# KiCad board SmartSpin2k_Panelized.kicad_pcb (continued)
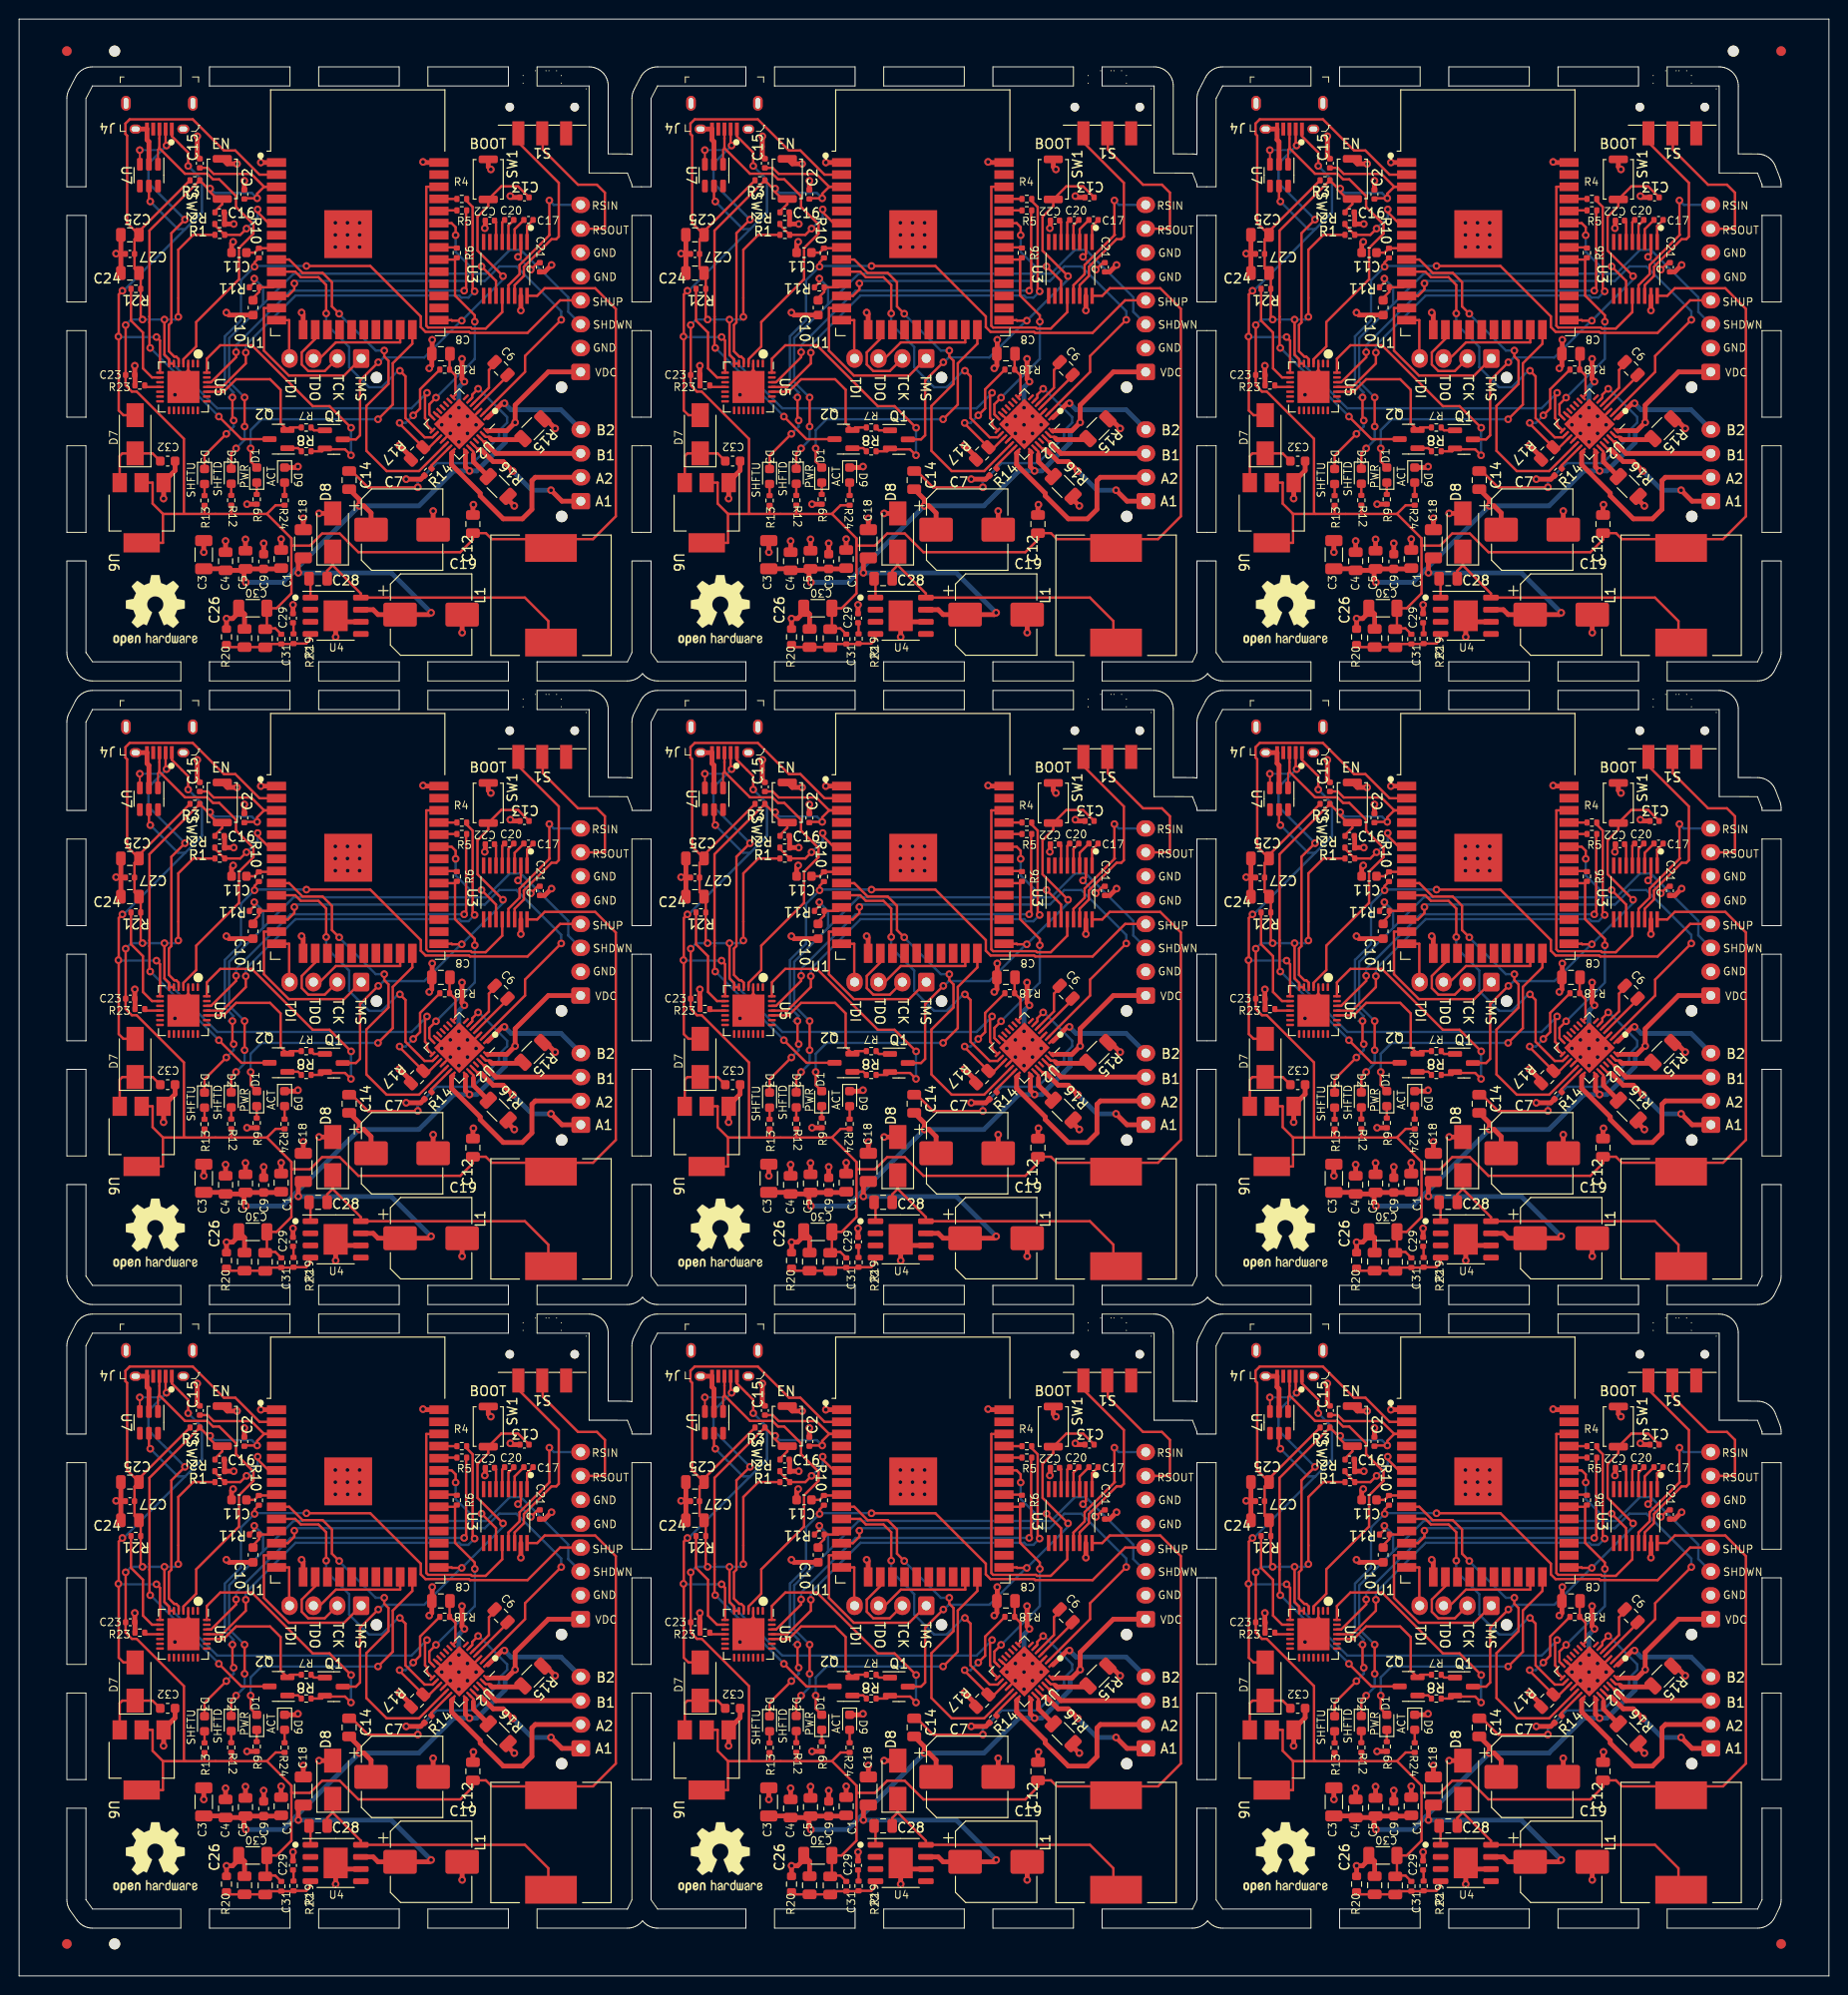
[diagram p0: board, top side]
## Nets (continued)
Board_5-Net-(C6-Pad1): C6#7.1 U2#5.5
Board_5-Net-(C6-Pad2): C6#7.2 U2#5.4
Board_5-Net-(C10-Pad1): C10#6.1 R11#9.1 U1#7.11
Board_5-Net-(C11-Pad1): C11.1 R10#4.1 U1#7.8
Board_5-Net-(C14-Pad2): C14#6.2 U2#5.6
Board_5-Net-(C17-Pad1): C17#9.1 U3#5.3
Board_5-Net-(C17-Pad2): C17#9.2 U3#5.1
Board_5-Net-(C20-Pad1): C20#9.1 U3#5.5
Board_5-Net-(C20-Pad2): C20#9.2 U3#5.4
Board_5-Net-(C21-Pad1): C21#4.1 U3#5.2
Board_5-Net-(C22-Pad1): C22.1 U3#5.6
Board_5-Net-(C26-Pad1): C26#5.1 C31#7.1 R19.1 R20.1 R22#8.1 U4#8.4
Board_5-Net-(C28-Pad1): C28#9.1 U4#8.1
Board_5-Net-(C28-Pad2): C28#9.2 D8#9.1 L1#6.1 U4#8.8
Board_5-Net-(C29-Pad1): C29#6.1 R19.2
Board_5-Net-(D1-Pad1): D1#6.1 R9#8.2
Board_5-Net-(D1-Pad2): D1#6.2 U1#7.24
Board_5-Net-(D2-Pad2): D2#3.2 R12#3.1
Board_5-Net-(D3-Pad2): D3#7.2 R13#7.2
Board_5-Net-(D9-Pad2): D9#2.2 R24#9.1
Board_5-Net-(J2-Pad1): J2.1 U1#7.13
Board_5-Net-(J2-Pad2): J2.2 U1#7.16
Board_5-Net-(J2-Pad3): J2.3 U1#7.23
Board_5-Net-(J2-Pad4): J2.4 U1#7.14
Board_5-Net-(Q1-Pad1): Q1#5.1 R7#6.1
Board_5-Net-(Q2-Pad1): Q2#4.1 R8#6.2
Board_5-Net-(R1-Pad2): R1.2 R2#5.2 U1#7.6
Board_5-Net-(R4-Pad1): R4#7.1 U1#7.35
Board_5-Net-(R5-Pad1): R5#7.1 U1#7.34
Board_5-Net-(R14-Pad2): R14#4.2 U2#5.20
Board_5-Net-(R17-Pad1): R17#3.1 R18#2.2 U2#5.17
Board_5-Net-(R21-Pad2): R21#3.2 U5#9.9
Board_5-Net-(R23-Pad2): R23.2 U5#9.11
Board_5-Net-(S1-Pad3): S1#8.3 U3#5.14
Board_5-unconnected-(J4-Pad4): J4#8.4
Board_5-unconnected-(S1-Pad1): S1#8.1
Board_5-unconnected-(U1-Pad4): U1#7.4
Board_5-unconnected-(U1-Pad5): U1#7.5
Board_5-unconnected-(U1-Pad7): U1#7.7
Board_5-unconnected-(U1-Pad17): U1#7.17
Board_5-unconnected-(U1-Pad18): U1#7.18
Board_5-unconnected-(U1-Pad19): U1#7.19
Board_5-unconnected-(U1-Pad20): U1#7.20
Board_5-unconnected-(U1-Pad21): U1#7.21
Board_5-unconnected-(U1-Pad22): U1#7.22
Board_5-unconnected-(U1-Pad26): U1#7.26
Board_5-unconnected-(U1-Pad27): U1#7.27
Board_5-unconnected-(U1-Pad28): U1#7.28
Board_5-unconnected-(U1-Pad29): U1#7.29
Board_5-unconnected-(U1-Pad32): U1#7.32
Board_5-unconnected-(U1-Pad37): U1#7.37
Board_5-unconnected-(U2-Pad7): U2#5.7
Board_5-unconnected-(U2-Pad9): U2#5.9
Board_5-unconnected-(U2-Pad10): U2#5.10
Board_5-unconnected-(U2-Pad11): U2#5.11
Board_5-unconnected-(U2-Pad12): U2#5.12
Board_5-unconnected-(U2-Pad25): U2#5.25
Board_5-unconnected-(U3-Pad7): U3#5.7
Board_5-unconnected-(U3-Pad8): U3#5.8
Board_5-unconnected-(U3-Pad9): U3#5.9
Board_5-unconnected-(U3-Pad10): U3#5.10
Board_5-unconnected-(U4-Pad2): U4#8.2
Board_5-unconnected-(U4-Pad3): U4#8.3
Board_5-unconnected-(U4-Pad5): U4#8.5
Board_5-unconnected-(U5-Pad1): U5#9.1
Board_5-unconnected-(U5-Pad2): U5#9.2
Board_5-unconnected-(U5-Pad10): U5#9.10
Board_5-unconnected-(U5-Pad12): U5#9.12
Board_5-unconnected-(U5-Pad13): U5#9.13
Board_5-unconnected-(U5-Pad14): U5#9.14
Board_5-unconnected-(U5-Pad15): U5#9.15
Board_5-unconnected-(U5-Pad16): U5#9.16
Board_5-unconnected-(U5-Pad17): U5#9.17
Board_5-unconnected-(U5-Pad18): U5#9.18
Board_5-unconnected-(U5-Pad19): U5#9.19
Board_5-unconnected-(U5-Pad20): U5#9.20
Board_5-unconnected-(U5-Pad21): U5#9.21
Board_5-unconnected-(U5-Pad22): U5#9.22
Board_5-unconnected-(U5-Pad23): U5#9.23
Board_5-unconnected-(U5-Pad27): U5#9.27
Board_5-unconnected-(U7-Pad4): U7#5.4
Board_5-unconnected-(U7-Pad6): U7#5.6
Board_6-/A1: J1#4.1 U2#7.24
Board_6-/A2: J1#4.2 U2#7.21
Board_6-/B1: J1#4.3 U2#7.26
Board_6-/B2: J1#4.4 U2#7.1
Board_6-/BRA: R16#6.2 U2#7.23
Board_6-/BRB: R15#8.2 U2#7.27
Board_6-/D+: J4#6.3 U5.4 U7#7.1
Board_6-/D-: J4#6.2 U5.5 U7#7.3
Board_6-/DriverDIR: U1#5.9 U2#7.19
Board_6-/DriverEN: U1#5.12 U2#7.2
Board_6-/DriverSTEP: U1#5.10 U2#7.16
Board_6-/DTR: Q1#9.2 R8#9.1 U5.28
Board_6-/EN: C2#2.1 C15#6.1 C16.1 Q2#8.3 R3#6.2 SW2#9.2 U1#5.3
Board_6-/IO0_BOOT: C13#4.1 Q1#9.3 SW1#8.1 U1#5.25
Board_6-/R1OUT: U1#5.36 U3#8.12
Board_6-/REG_5V: C32#6.2 D7#2.1 U6#9.3
Board_6-/RS232IN1: J3#4.8 U3#8.13
Board_6-/RS232OUT1: J3#4.7 S1#2.2
Board_6-/RTS: Q2#8.2 R7#8.2 U5.24
Board_6-/RXD0: R5#2.2 U5.26
Board_6-/ShiftDown: D2#8.1 J3#4.3 R11#7.2
Board_6-/ShiftUp: D3#6.1 J3#4.4 R10#3.2
Board_6-/T1IN: U1#5.33 U3#8.11
Board_6-/TMCUART1: R6#4.1 U1#5.30 U2#7.14
Board_6-/TMCUART2: R6#4.2 U1#5.31
Board_6-/TXD0: R4#5.2 U5.25
Board_6-/VDC: C1#7.1 C3#5.1 C4#2.1 C5#4.1 C7#2.1 C9.1 C14#7.1 C18#2.1 C19.1 J3#4.1 U2#7.22 U2#7.28 U4#5.7
Board_6-GND: C1#7.2 C2#2.2 C3#5.2 C4#2.2 C5#4.2 C7#2.2 C8#5.2 C9.2 C10#8.2 C11#5.2 C12#7.2 C13#4.2 C15#6.2 C16.2 C18#2.2 C19.2 C21#5.2 C22#4.2 C23#2.2 C24#5.1 C25#5.2 C26#2.2 C27#3.2 C29#3.2 C30#7.2 C32#6.1 D8#4.2 D9#7.1 J3#4.2 J3#4.5 J3#4.6 J4#6.5 J4#6.SH R2#8.1 R9#6.1 R14#8.1 R15#8.1 R16#6.1 R17#8.2 R20#7.2 R23#8.1 SW1#8.2 SW2#9.1 U1#5.1 U1#5.15 U1#5.38 U1#5.39 U2#7.3 U2#7.13 U2#7.18 U2#7.29 U3#8.15 U4#5.6 U4#5.9 U5.3 U5.29 U6#9.1 U7#7.2
Board_6-Net-(C6-Pad1): C6#5.1 U2#7.5
Board_6-Net-(C6-Pad2): C6#5.2 U2#7.4
Board_6-Net-(C10-Pad1): C10#8.1 R11#7.1 U1#5.11
Board_6-Net-(C11-Pad1): C11#5.1 R10#3.1 U1#5.8
Board_6-Net-(C14-Pad2): C14#7.2 U2#7.6
Board_6-Net-(C17-Pad1): C17#2.1 U3#8.3
Board_6-Net-(C17-Pad2): C17#2.2 U3#8.1
Board_6-Net-(C20-Pad1): C20#3.1 U3#8.5
Board_6-Net-(C20-Pad2): C20#3.2 U3#8.4
Board_6-Net-(C21-Pad1): C21#5.1 U3#8.2
Board_6-Net-(C22-Pad1): C22#4.1 U3#8.6
Board_6-Net-(C26-Pad1): C26#2.1 C31#4.1 R19#6.1 R20#7.1 R22.1 U4#5.4
Board_6-Net-(C28-Pad1): C28#8.1 U4#5.1
Board_6-Net-(C28-Pad2): C28#8.2 D8#4.1 L1#4.1 U4#5.8
Board_6-Net-(C29-Pad1): C29#3.1 R19#6.2
Board_6-Net-(D1-Pad1): D1#5.1 R9#6.2
Board_6-Net-(D1-Pad2): D1#5.2 U1#5.24
Board_6-Net-(D2-Pad2): D2#8.2 R12#4.1
Board_6-Net-(D3-Pad2): D3#6.2 R13#4.2
Board_6-Net-(D9-Pad2): D9#7.2 R24#8.1
Board_6-Net-(J2-Pad1): J2#5.1 U1#5.13
Board_6-Net-(J2-Pad2): J2#5.2 U1#5.16
Board_6-Net-(J2-Pad3): J2#5.3 U1#5.23
Board_6-Net-(J2-Pad4): J2#5.4 U1#5.14
Board_6-Net-(Q1-Pad1): Q1#9.1 R7#8.1
Board_6-Net-(Q2-Pad1): Q2#8.1 R8#9.2
Board_6-Net-(R1-Pad2): R1#9.2 R2#8.2 U1#5.6
Board_6-Net-(R4-Pad1): R4#5.1 U1#5.35
Board_6-Net-(R5-Pad1): R5#2.1 U1#5.34
Board_6-Net-(R14-Pad2): R14#8.2 U2#7.20
Board_6-Net-(R17-Pad1): R17#8.1 R18#7.2 U2#7.17
Board_6-Net-(R21-Pad2): R21#7.2 U5.9
Board_6-Net-(R23-Pad2): R23#8.2 U5.11
Board_6-Net-(S1-Pad3): S1#2.3 U3#8.14
Board_6-unconnected-(J4-Pad4): J4#6.4
Board_6-unconnected-(S1-Pad1): S1#2.1
Board_6-unconnected-(U1-Pad4): U1#5.4
Board_6-unconnected-(U1-Pad5): U1#5.5
Board_6-unconnected-(U1-Pad7): U1#5.7
Board_6-unconnected-(U1-Pad17): U1#5.17
Board_6-unconnected-(U1-Pad18): U1#5.18
Board_6-unconnected-(U1-Pad19): U1#5.19
Board_6-unconnected-(U1-Pad20): U1#5.20
Board_6-unconnected-(U1-Pad21): U1#5.21
Board_6-unconnected-(U1-Pad22): U1#5.22
Board_6-unconnected-(U1-Pad26): U1#5.26
Board_6-unconnected-(U1-Pad27): U1#5.27
Board_6-unconnected-(U1-Pad28): U1#5.28
Board_6-unconnected-(U1-Pad29): U1#5.29
Board_6-unconnected-(U1-Pad32): U1#5.32
Board_6-unconnected-(U1-Pad37): U1#5.37
Board_6-unconnected-(U2-Pad7): U2#7.7
Board_6-unconnected-(U2-Pad9): U2#7.9
Board_6-unconnected-(U2-Pad10): U2#7.10
Board_6-unconnected-(U2-Pad11): U2#7.11
Board_6-unconnected-(U2-Pad12): U2#7.12
Board_6-unconnected-(U2-Pad25): U2#7.25
Board_6-unconnected-(U3-Pad7): U3#8.7
Board_6-unconnected-(U3-Pad8): U3#8.8
Board_6-unconnected-(U3-Pad9): U3#8.9
Board_6-unconnected-(U3-Pad10): U3#8.10
Board_6-unconnected-(U4-Pad2): U4#5.2
Board_6-unconnected-(U4-Pad3): U4#5.3
Board_6-unconnected-(U4-Pad5): U4#5.5
Board_6-unconnected-(U5-Pad1): U5.1
Board_6-unconnected-(U5-Pad2): U5.2
Board_6-unconnected-(U5-Pad10): U5.10
Board_6-unconnected-(U5-Pad12): U5.12
Board_6-unconnected-(U5-Pad13): U5.13
Board_6-unconnected-(U5-Pad14): U5.14
Board_6-unconnected-(U5-Pad15): U5.15
Board_6-unconnected-(U5-Pad16): U5.16
Board_6-unconnected-(U5-Pad17): U5.17
Board_6-unconnected-(U5-Pad18): U5.18
Board_6-unconnected-(U5-Pad19): U5.19
Board_6-unconnected-(U5-Pad20): U5.20
Board_6-unconnected-(U5-Pad21): U5.21
Board_6-unconnected-(U5-Pad22): U5.22
Board_6-unconnected-(U5-Pad23): U5.23
Board_6-unconnected-(U5-Pad27): U5.27
Board_6-unconnected-(U7-Pad4): U7#7.4
Board_6-unconnected-(U7-Pad6): U7#7.6
Board_7-/A1: J1#2.1 U2#9.24
Board_7-/A2: J1#2.2 U2#9.21
Board_7-/B1: J1#2.3 U2#9.26
Board_7-/B2: J1#2.4 U2#9.1
Board_7-/BRA: R16#4.2 U2#9.23
Board_7-/BRB: R15#5.2 U2#9.27
Board_7-/D+: J4.3 U5#4.4 U7#8.1
Board_7-/D-: J4.2 U5#4.5 U7#8.3
Board_7-/DriverDIR: U1#9.9 U2#9.19
Board_7-/DriverEN: U1#9.12 U2#9.2
Board_7-/DriverSTEP: U1#9.10 U2#9.16
Board_7-/DTR: Q1#8.2 R8#7.1 U5#4.28
Board_7-/EN: C2#4.1 C15.1 C16#6.1 Q2#7.3 R3#7.2 SW2.2 U1#9.3
Board_7-/IO0_BOOT: C13#8.1 Q1#8.3 SW1.1 U1#9.25
Board_7-/R1OUT: U1#9.36 U3.12
Board_7-/REG_5V: C32#5.2 D7#7.1 U6#4.3
Board_7-/RS232IN1: J3#3.8 U3.13
Board_7-/RS232OUT1: J3#3.7 S1#7.2
Board_7-/RTS: Q2#7.2 R7#5.2 U5#4.24
Board_7-/RXD0: R5#3.2 U5#4.26
Board_7-/ShiftDown: D2#4.1 J3#3.3 R11#8.2
Board_7-/ShiftUp: D3#2.1 J3#3.4 R10#9.2
Board_7-/T1IN: U1#9.33 U3.11
Board_7-/TMCUART1: R6#8.1 U1#9.30 U2#9.14
Board_7-/TMCUART2: R6#8.2 U1#9.31
Board_7-/TXD0: R4#8.2 U5#4.25
Board_7-/VDC: C1#8.1 C3.1 C4#3.1 C5#9.1 C7#4.1 C9#2.1 C14#5.1 C18#9.1 C19#7.1 J3#3.1 U2#9.22 U2#9.28 U4#3.7
Board_7-GND: C1#8.2 C2#4.2 C3.2 C4#3.2 C5#9.2 C7#4.2 C8#7.2 C9#2.2 C10#7.2 C11#6.2 C12.2 C13#8.2 C15.2 C16#6.2 C18#9.2 C19#7.2 C21#8.2 C22#8.2 C23.2 C24.1 C25#9.2 C26#8.2 C27#9.2 C29#5.2 C30#8.2 C32#5.1 D8#6.2 D9#9.1 J3#3.2 J3#3.5 J3#3.6 J4.5 J4.SH R2#2.1 R9#7.1 R14#2.1 R15#5.1 R16#4.1 R17#9.2 R20#9.2 R23#2.1 SW1.2 SW2.1 U1#9.1 U1#9.15 U1#9.38 U1#9.39 U2#9.3 U2#9.13 U2#9.18 U2#9.29 U3.15 U4#3.6 U4#3.9 U5#4.3 U5#4.29 U6#4.1 U7#8.2
Board_7-Net-(C6-Pad1): C6#3.1 U2#9.5
Board_7-Net-(C6-Pad2): C6#3.2 U2#9.4
Board_7-Net-(C10-Pad1): C10#7.1 R11#8.1 U1#9.11
Board_7-Net-(C11-Pad1): C11#6.1 R10#9.1 U1#9.8
Board_7-Net-(C14-Pad2): C14#5.2 U2#9.6
Board_7-Net-(C17-Pad1): C17#5.1 U3.3
Board_7-Net-(C17-Pad2): C17#5.2 U3.1
Board_7-Net-(C20-Pad1): C20#5.1 U3.5
Board_7-Net-(C20-Pad2): C20#5.2 U3.4
Board_7-Net-(C21-Pad1): C21#8.1 U3.2
Board_7-Net-(C22-Pad1): C22#8.1 U3.6
Board_7-Net-(C26-Pad1): C26#8.1 C31#9.1 R19#7.1 R20#9.1 R22#7.1 U4#3.4
Board_7-Net-(C28-Pad1): C28#4.1 U4#3.1
Board_7-Net-(C28-Pad2): C28#4.2 D8#6.1 L1#8.1 U4#3.8
Board_7-Net-(C29-Pad1): C29#5.1 R19#7.2
Board_7-Net-(D1-Pad1): D1#9.1 R9#7.2
Board_7-Net-(D1-Pad2): D1#9.2 U1#9.24
Board_7-Net-(D2-Pad2): D2#4.2 R12#7.1
Board_7-Net-(D3-Pad2): D3#2.2 R13#3.2
Board_7-Net-(D9-Pad2): D9#9.2 R24#2.1
Board_7-Net-(J2-Pad1): J2#3.1 U1#9.13
Board_7-Net-(J2-Pad2): J2#3.2 U1#9.16
Board_7-Net-(J2-Pad3): J2#3.3 U1#9.23
Board_7-Net-(J2-Pad4): J2#3.4 U1#9.14
Board_7-Net-(Q1-Pad1): Q1#8.1 R7#5.1
Board_7-Net-(Q2-Pad1): Q2#7.1 R8#7.2
Board_7-Net-(R1-Pad2): R1#5.2 R2#2.2 U1#9.6
Board_7-Net-(R4-Pad1): R4#8.1 U1#9.35
Board_7-Net-(R5-Pad1): R5#3.1 U1#9.34
Board_7-Net-(R14-Pad2): R14#2.2 U2#9.20
Board_7-Net-(R17-Pad1): R17#9.1 R18#8.2 U2#9.17
Board_7-Net-(R21-Pad2): R21#9.2 U5#4.9
Board_7-Net-(R23-Pad2): R23#2.2 U5#4.11
Board_7-Net-(S1-Pad3): S1#7.3 U3.14
Board_7-unconnected-(J4-Pad4): J4.4
Board_7-unconnected-(S1-Pad1): S1#7.1
Board_7-unconnected-(U1-Pad4): U1#9.4
Board_7-unconnected-(U1-Pad5): U1#9.5
Board_7-unconnected-(U1-Pad7): U1#9.7
Board_7-unconnected-(U1-Pad17): U1#9.17
Board_7-unconnected-(U1-Pad18): U1#9.18
Board_7-unconnected-(U1-Pad19): U1#9.19
Board_7-unconnected-(U1-Pad20): U1#9.20
Board_7-unconnected-(U1-Pad21): U1#9.21
Board_7-unconnected-(U1-Pad22): U1#9.22
Board_7-unconnected-(U1-Pad26): U1#9.26
Board_7-unconnected-(U1-Pad27): U1#9.27
Board_7-unconnected-(U1-Pad28): U1#9.28
Board_7-unconnected-(U1-Pad29): U1#9.29
Board_7-unconnected-(U1-Pad32): U1#9.32
Board_7-unconnected-(U1-Pad37): U1#9.37
Board_7-unconnected-(U2-Pad7): U2#9.7
Board_7-unconnected-(U2-Pad9): U2#9.9
Board_7-unconnected-(U2-Pad10): U2#9.10
Board_7-unconnected-(U2-Pad11): U2#9.11
Board_7-unconnected-(U2-Pad12): U2#9.12
Board_7-unconnected-(U2-Pad25): U2#9.25
Board_7-unconnected-(U3-Pad7): U3.7
Board_7-unconnected-(U3-Pad8): U3.8
Board_7-unconnected-(U3-Pad9): U3.9
Board_7-unconnected-(U3-Pad10): U3.10
Board_7-unconnected-(U4-Pad2): U4#3.2
Board_7-unconnected-(U4-Pad3): U4#3.3
Board_7-unconnected-(U4-Pad5): U4#3.5
Board_7-unconnected-(U5-Pad1): U5#4.1
Board_7-unconnected-(U5-Pad2): U5#4.2
Board_7-unconnected-(U5-Pad10): U5#4.10
Board_7-unconnected-(U5-Pad12): U5#4.12
Board_7-unconnected-(U5-Pad13): U5#4.13
Board_7-unconnected-(U5-Pad14): U5#4.14
Board_7-unconnected-(U5-Pad15): U5#4.15
Board_7-unconnected-(U5-Pad16): U5#4.16
Board_7-unconnected-(U5-Pad17): U5#4.17
Board_7-unconnected-(U5-Pad18): U5#4.18
Board_7-unconnected-(U5-Pad19): U5#4.19
Board_7-unconnected-(U5-Pad20): U5#4.20
Board_7-unconnected-(U5-Pad21): U5#4.21
Board_7-unconnected-(U5-Pad22): U5#4.22
Board_7-unconnected-(U5-Pad23): U5#4.23
Board_7-unconnected-(U5-Pad27): U5#4.27
Board_7-unconnected-(U7-Pad4): U7#8.4
Board_7-unconnected-(U7-Pad6): U7#8.6
Board_8-/A1: J1#8.1 U2#4.24
Board_8-/A2: J1#8.2 U2#4.21
Board_8-/B1: J1#8.3 U2#4.26
Board_8-/B2: J1#8.4 U2#4.1
Board_8-/BRA: R16#9.2 U2#4.23
Board_8-/BRB: R15#4.2 U2#4.27
Board_8-/D+: J4#7.3 U5#5.4 U7.1
Board_8-/D-: J4#7.2 U5#5.5 U7.3
Board_8-/DriverDIR: U1#6.9 U2#4.19
Board_8-/DriverEN: U1#6.12 U2#4.2
Board_8-/DriverSTEP: U1#6.10 U2#4.16
Board_8-/DTR: Q1#6.2 R8#2.1 U5#5.28
Board_8-/EN: C2#5.1 C15#2.1 C16#7.1 Q2#3.3 R3#8.2 SW2#6.2 U1#6.3
Board_8-/IO0_BOOT: C13#7.1 Q1#6.3 SW1#6.1 U1#6.25
Board_8-/R1OUT: U1#6.36 U3#2.12
Board_8-/REG_5V: C32.2 D7#3.1 U6#7.3
Board_8-/RS232IN1: J3#5.8 U3#2.13
Board_8-/RS232OUT1: J3#5.7 S1#5.2
Board_8-/RTS: Q2#3.2 R7#4.2 U5#5.24
Board_8-/RXD0: R5#5.2 U5#5.26
Board_8-/ShiftDown: D2#5.1 J3#5.3 R11#5.2
Board_8-/ShiftUp: D3#8.1 J3#5.4 R10.2
Board_8-/T1IN: U1#6.33 U3#2.11
Board_8-/TMCUART1: R6#3.1 U1#6.30 U2#4.14
Board_8-/TMCUART2: R6#3.2 U1#6.31
Board_8-/TXD0: R4#4.2 U5#5.25
Board_8-/VDC: C1#4.1 C3#7.1 C4.1 C5#3.1 C7.1 C9#5.1 C14#2.1 C18#8.1 C19#6.1 J3#5.1 U2#4.22 U2#4.28 U4#7.7
Board_8-GND: C1#4.2 C2#5.2 C3#7.2 C4.2 C5#3.2 C7.2 C8#4.2 C9#5.2 C10#2.2 C11#4.2 C12#3.2 C13#7.2 C15#2.2 C16#7.2 C18#8.2 C19#6.2 C21#3.2 C22#2.2 C23#5.2 C24#2.1 C25#6.2 C26#3.2 C27#5.2 C29#8.2 C30#6.2 C32.1 D8#5.2 D9#8.1 J3#5.2 J3#5.5 J3#5.6 J4#7.5 J4#7.SH R2#7.1 R9#5.1 R14#6.1 R15#4.1 R16#9.1 R17#6.2 R20#4.2 R23#9.1 SW1#6.2 SW2#6.1 U1#6.1 U1#6.15 U1#6.38 U1#6.39 U2#4.3 U2#4.13 U2#4.18 U2#4.29 U3#2.15 U4#7.6 U4#7.9 U5#5.3 U5#5.29 U6#7.1 U7.2
Board_8-Net-(C6-Pad1): C6#8.1 U2#4.5
Board_8-Net-(C6-Pad2): C6#8.2 U2#4.4
Board_8-Net-(C10-Pad1): C10#2.1 R11#5.1 U1#6.11
Board_8-Net-(C11-Pad1): C11#4.1 R10.1 U1#6.8
Board_8-Net-(C14-Pad2): C14#2.2 U2#4.6
Board_8-Net-(C17-Pad1): C17#7.1 U3#2.3
Board_8-Net-(C17-Pad2): C17#7.2 U3#2.1
Board_8-Net-(C20-Pad1): C20#4.1 U3#2.5
Board_8-Net-(C20-Pad2): C20#4.2 U3#2.4
Board_8-Net-(C21-Pad1): C21#3.1 U3#2.2
Board_8-Net-(C22-Pad1): C22#2.1 U3#2.6
Board_8-Net-(C26-Pad1): C26#3.1 C31#6.1 R19#9.1 R20#4.1 R22#4.1 U4#7.4
Board_8-Net-(C28-Pad1): C28.1 U4#7.1
Board_8-Net-(C28-Pad2): C28.2 D8#5.1 L1#7.1 U4#7.8
Board_8-Net-(C29-Pad1): C29#8.1 R19#9.2
Board_8-Net-(D1-Pad1): D1.1 R9#5.2
Board_8-Net-(D1-Pad2): D1.2 U1#6.24
Board_8-Net-(D2-Pad2): D2#5.2 R12#9.1
Board_8-Net-(D3-Pad2): D3#8.2 R13.2
Board_8-Net-(D9-Pad2): D9#8.2 R24#3.1
Board_8-Net-(J2-Pad1): J2#6.1 U1#6.13
Board_8-Net-(J2-Pad2): J2#6.2 U1#6.16
Board_8-Net-(J2-Pad3): J2#6.3 U1#6.23
Board_8-Net-(J2-Pad4): J2#6.4 U1#6.14
Board_8-Net-(Q1-Pad1): Q1#6.1 R7#4.1
Board_8-Net-(Q2-Pad1): Q2#3.1 R8#2.2
Board_8-Net-(R1-Pad2): R1#7.2 R2#7.2 U1#6.6
Board_8-Net-(R4-Pad1): R4#4.1 U1#6.35
Board_8-Net-(R5-Pad1): R5#5.1 U1#6.34
Board_8-Net-(R14-Pad2): R14#6.2 U2#4.20
Board_8-Net-(R17-Pad1): R17#6.1 R18#6.2 U2#4.17
Board_8-Net-(R21-Pad2): R21#4.2 U5#5.9
Board_8-Net-(R23-Pad2): R23#9.2 U5#5.11
Board_8-Net-(S1-Pad3): S1#5.3 U3#2.14
Board_8-unconnected-(J4-Pad4): J4#7.4
Board_8-unconnected-(S1-Pad1): S1#5.1
Board_8-unconnected-(U1-Pad4): U1#6.4
Board_8-unconnected-(U1-Pad5): U1#6.5
Board_8-unconnected-(U1-Pad7): U1#6.7
Board_8-unconnected-(U1-Pad17): U1#6.17
Board_8-unconnected-(U1-Pad18): U1#6.18
Board_8-unconnected-(U1-Pad19): U1#6.19
Board_8-unconnected-(U1-Pad20): U1#6.20
Board_8-unconnected-(U1-Pad21): U1#6.21
Board_8-unconnected-(U1-Pad22): U1#6.22
Board_8-unconnected-(U1-Pad26): U1#6.26
Board_8-unconnected-(U1-Pad27): U1#6.27
Board_8-unconnected-(U1-Pad28): U1#6.28
Board_8-unconnected-(U1-Pad29): U1#6.29
Board_8-unconnected-(U1-Pad32): U1#6.32
Board_8-unconnected-(U1-Pad37): U1#6.37
Board_8-unconnected-(U2-Pad7): U2#4.7
Board_8-unconnected-(U2-Pad9): U2#4.9
Board_8-unconnected-(U2-Pad10): U2#4.10
Board_8-unconnected-(U2-Pad11): U2#4.11
Board_8-unconnected-(U2-Pad12): U2#4.12
Board_8-unconnected-(U2-Pad25): U2#4.25
Board_8-unconnected-(U3-Pad7): U3#2.7
Board_8-unconnected-(U3-Pad8): U3#2.8
Board_8-unconnected-(U3-Pad9): U3#2.9
Board_8-unconnected-(U3-Pad10): U3#2.10
Board_8-unconnected-(U4-Pad2): U4#7.2
Board_8-unconnected-(U4-Pad3): U4#7.3
Board_8-unconnected-(U4-Pad5): U4#7.5
Board_8-unconnected-(U5-Pad1): U5#5.1
Board_8-unconnected-(U5-Pad2): U5#5.2
Board_8-unconnected-(U5-Pad10): U5#5.10
Board_8-unconnected-(U5-Pad12): U5#5.12
Board_8-unconnected-(U5-Pad13): U5#5.13
Board_8-unconnected-(U5-Pad14): U5#5.14
Board_8-unconnected-(U5-Pad15): U5#5.15
Board_8-unconnected-(U5-Pad16): U5#5.16
Board_8-unconnected-(U5-Pad17): U5#5.17
Board_8-unconnected-(U5-Pad18): U5#5.18
Board_8-unconnected-(U5-Pad19): U5#5.19
Board_8-unconnected-(U5-Pad20): U5#5.20
Board_8-unconnected-(U5-Pad21): U5#5.21
Board_8-unconnected-(U5-Pad22): U5#5.22
Board_8-unconnected-(U5-Pad23): U5#5.23
Board_8-unconnected-(U5-Pad27): U5#5.27
Board_8-unconnected-(U7-Pad4): U7.4
Board_8-unconnected-(U7-Pad6): U7.6

## Via types
v1: diameter 0.8, hole 0.4, Top to Bottom, 1116 vias

## Routing (per net, layer and track width the routed paths; a pad name or vN(x,y) marks a point on that pad's centre or on a via; arc(x,y) is an arc through that point)
Board_0-/3V3: length 244.3
  Top w0.25: 25.94,153.09 22.2,153.09 ; 25.94,153.09 28.5,150.53 ; 25.94,153.09 26.85,154 R24#4.2 ; 19.41,153.09 19.41,153.09 R13#2.1 ; 19.41,153.09 22.2,153.09 ; 19.41,153.09 15.06,153.09 ; 15.06,153.09 13.98,154.17 13.98,156.36 U6#3.2 ; 15.06,153.09 15.06,150.06 U6#3.2 ; 28.5,150.53 28.5,144.76 26.95,143.21 C30#9.1 25.94,141.11 ; 28.5,150.53 28.5,149.77 30.45,149.77 31.72,151.04 33.56,151.04 35.51,149.08 46.18,149.08 47.5,150.4 C12#8.1 48.86,151.08 49.49,150.45 60.08,150.45 62.46,152.84 62.46,174.56 60.31,176.72 55.02,176.72 54.23,175.92 U3#9.16 ; v1(11.15,172.86) 11.15,167.63 C23#8.1 11.15,166.55 11.8,165.89 12.31,165.89 17.25,160.95 17.25,153.09 ; R1#2.1 18.22,182.31 16.66,180.75 v1(16.66,173.72) ; 25.94,141.11 26.82,141.11 R22#9.2 ; 25.94,141.11 25.85,141.11 C31#8.2 ; R12.2 22.2,153.09 22.2,153.09 ; C25#2.1 12.08,181.84 C27.1 12.08,178.78 C24#7.2 12.73,178.13 R21.1 12.73,173.63 v1(12.92,173.44) ; C25#2.1 12.55,182.68 R3#4.1 ; C25#2.1 11.31,183.55 11.31,192.7 11.13,192.87 11.13,193.96 11.57,194.4 18.18,194.4 21.44,191.14 22.63,191.14 25.16,188.61 U1#2.2 ; v1(42.7,165.77) 42.49,165.56 42.49,163.12 42.7,162.91 42.7,162.39 U2#2.15 ; U5#8.6 U5#8.7 15.7,169.28 15.21,169.77 v1(15.21,173.44)
  Bottom w0.25: v1(11.15,172.86) 11.73,173.44 v1(12.92,173.44) v1(15.21,173.44) ; v1(15.21,173.44) 15.21,169.67 20.74,164.14 41.07,164.14 v1(42.7,165.77) ; v1(15.21,173.44) 16.38,173.44 v1(16.66,173.72)
Board_0-/5V: length 4.9
  Top w0.25: C8#6.1 45.06,169.82 R18#9.1 45.67,167.59 45.67,165.57 U2#2.8
Board_0-/VBUS: length 50.8
  Top w0.25: v1(10.81,176.46) 10.43,176.07 10.43,171.7 v1(10.39,171.66) 10.43,171.62 10.43,163.92 10.92,163.42 D7.2 ; v1(17.7,189.53) 17.7,190.93 15.99,192.64 J4#9.1 ; U5#8.8 14.75,171.24 v1(14.38,171.61) ; U7#4.5 13.59,185.94 v1(13.73,185.8)
  Bottom w0.25: 17.39,182.91 19.14,184.66 19.14,188.09 v1(17.7,189.53) ; 17.39,182.91 16.62,182.91 v1(13.73,185.8) ; 17.39,182.91 10.94,176.46 v1(10.81,176.46) ; v1(14.38,171.61) 10.44,171.61 v1(10.39,171.66)
Board_1-/3V3: length 244.3
  Top w0.25: 85.09,153.09 81.35,153.09 ; 85.09,153.09 87.65,150.53 ; 85.09,153.09 86,154 R24.2 ; 78.56,153.09 78.56,153.09 R13#8.1 ; 78.56,153.09 81.35,153.09 ; 78.56,153.09 74.21,153.09 ; 74.21,153.09 73.13,154.17 73.13,156.36 U6#2.2 ; 74.21,153.09 74.21,150.06 U6#2.2 ; 87.65,150.53 87.65,144.76 86.1,143.21 C30#5.1 85.08,141.11 ; 87.65,150.53 87.65,149.77 89.6,149.77 90.87,151.04 92.71,151.04 94.66,149.08 105.33,149.08 106.65,150.4 C12#4.1 108.01,151.08 108.64,150.45 119.22,150.45 121.61,152.84 121.61,174.56 119.46,176.72 114.17,176.72 113.38,175.92 U3#6.16 ; v1(70.3,172.86) 70.3,167.63 C23#9.1 70.3,166.55 70.95,165.89 71.46,165.89 76.4,160.95 76.4,153.09 ; R1#4.1 77.37,182.31 75.81,180.75 v1(75.81,173.72) ; 85.08,141.11 85.97,141.11 R22#5.2 ; 85.08,141.11 85,141.11 C31#3.2 ; R12#2.2 81.36,153.09 81.35,153.09 ; C25#4.1 71.23,181.84 C27#7.1 71.23,178.78 C24#8.2 71.88,178.13 R21#2.1 71.88,173.63 v1(72.07,173.44) ; C25#4.1 71.7,182.68 R3#5.1 ; C25#4.1 70.46,183.55 70.46,192.7 70.28,192.87 70.28,193.96 70.72,194.4 77.33,194.4 80.59,191.14 81.78,191.14 84.31,188.61 U1#8.2 ; v1(101.85,165.77) 101.64,165.56 101.64,163.12 101.85,162.91 101.85,162.39 U2#8.15 ; U5#7.6 U5#7.7 74.85,169.28 74.36,169.77 v1(74.36,173.44)
  Bottom w0.25: v1(70.3,172.86) 70.88,173.44 v1(72.07,173.44) v1(74.36,173.44) ; v1(74.36,173.44) 74.36,169.67 79.89,164.14 100.22,164.14 v1(101.85,165.77) ; v1(74.36,173.44) 75.53,173.44 v1(75.81,173.72)
Board_1-/5V: length 4.9
  Top w0.25: C8#8.1 104.21,169.82 R18.1 104.82,167.59 104.82,165.57 U2#8.8
Board_1-/VBUS: length 50.8
  Top w0.25: v1(69.96,176.46) 69.58,176.07 69.58,171.7 v1(69.54,171.66) 69.58,171.62 69.58,163.92 70.07,163.42 D7#8.2 ; v1(76.85,189.53) 76.85,190.93 75.14,192.64 J4#2.1 ; U5#7.8 73.9,171.24 v1(73.53,171.61) ; U7#3.5 72.74,185.94 v1(72.88,185.8)
  Bottom w0.25: 76.54,182.91 78.29,184.66 78.29,188.09 v1(76.85,189.53) ; 76.54,182.91 75.77,182.91 v1(72.88,185.8) ; 76.54,182.91 70.09,176.46 v1(69.96,176.46) ; v1(73.53,171.61) 69.59,171.61 v1(69.54,171.66)
Board_2-/3V3: length 244.3
  Top w0.25: 144.24,153.09 140.5,153.09 ; 144.24,153.09 146.8,150.53 ; 144.24,153.09 145.15,154 R24#5.2 ; 137.71,153.09 137.71,153.09 R13#6.1 ; 137.71,153.09 140.5,153.09 ; 137.71,153.09 133.36,153.09 ; 133.36,153.09 132.28,154.17 132.28,156.36 U6#6.2 ; 133.36,153.09 133.36,150.06 U6#6.2 ; 146.8,150.53 146.8,144.76 145.25,143.21 144.24,143.21 144.24,141.11 ; 146.8,150.53 146.8,149.77 148.75,149.77 150.02,151.04 151.86,151.04 153.81,149.08 164.48,149.08 165.8,150.4 C12#9.1 167.16,151.08 167.79,150.45 178.38,150.45 180.76,152.84 180.76,174.56 178.6,176.72 173.32,176.72 172.53,175.92 U3#7.16 ; v1(129.45,172.86) 129.45,167.63 C23#6.1 129.45,166.55 130.1,165.89 130.61,165.89 135.55,160.95 135.55,153.09 ; R1#8.1 136.52,182.31 134.96,180.75 v1(134.96,173.72) ; 144.24,141.11 145.12,141.11 R22#2.2 ; 144.24,141.11 144.15,141.11 C31#5.2 ; R12#5.2 140.5,153.09 140.5,153.09 ; C25#8.1 130.38,181.84 C27#6.1 130.38,178.78 C24#4.2 131.03,178.13 R21#5.1 131.03,173.63 v1(131.22,173.44) ; C25#8.1 130.85,182.68 R3#3.1 ; C25#8.1 129.61,183.55 129.61,192.7 129.43,192.87 129.43,193.96 129.87,194.4 136.48,194.4 139.74,191.14 140.93,191.14 143.46,188.61 U1.2 ; v1(161,165.77) 160.79,165.56 160.79,163.12 161,162.91 161,162.39 U2.15 ; U5#6.6 U5#6.7 134,169.28 133.51,169.77 v1(133.51,173.44)
  Bottom w0.25: v1(129.45,172.86) 130.03,173.44 v1(131.22,173.44) v1(133.51,173.44) ; v1(133.51,173.44) 133.51,169.67 139.04,164.14 159.37,164.14 v1(161,165.77) ; v1(133.51,173.44) 134.68,173.44 v1(134.96,173.72)
Board_2-/5V: length 4.9
  Top w0.25: C8#9.1 163.36,169.82 R18#4.1 163.97,167.59 163.97,165.57 U2.8
Board_2-/VBUS: length 50.8
  Top w0.25: v1(129.11,176.46) 128.73,176.07 128.73,171.7 v1(128.69,171.66) 128.73,171.62 128.73,163.92 129.22,163.42 D7#6.2 ; v1(136,189.53) 136,190.93 134.29,192.64 J4#4.1 ; U5#6.8 133.05,171.24 v1(132.68,171.61) ; U7#9.5 131.89,185.94 v1(132.03,185.8)
  Bottom w0.25: 135.69,182.91 137.44,184.66 137.44,188.09 v1(136,189.53) ; 135.69,182.91 134.92,182.91 v1(132.03,185.8) ; 135.69,182.91 129.24,176.46 v1(129.11,176.46) ; v1(132.68,171.61) 128.74,171.61 v1(128.69,171.66)
Board_3-/3V3: length 244.3
  Top w0.25: 25.94,87.79 22.2,87.79 ; 25.94,87.79 28.5,85.23 ; 25.94,87.79 26.85,88.7 R24#6.2 ; 19.41,87.79 19.41,87.79 R13#5.1 ; 19.41,87.79 22.2,87.79 ; 19.41,87.79 15.06,87.79 ; 15.06,87.79 13.98,88.87 13.98,91.06 U6#8.2 ; 15.06,87.79 15.06,84.76 U6#8.2 ; 28.5,85.23 28.5,79.46 26.95,77.91 C30.1 25.94,75.81 ; 28.5,85.23 28.5,84.47 30.45,84.47 31.72,85.74 33.56,85.74 35.51,83.78 46.18,83.78 47.5,85.1 C12#5.1 48.86,85.78 49.49,85.15 60.08,85.15 62.46,87.54 62.46,109.26 60.31,111.42 55.02,111.42 54.23,110.62 U3#3.16 ; v1(11.15,107.56) 11.15,102.33 C23#4.1 11.15,101.25 11.8,100.59 12.31,100.59 17.25,95.65 17.25,87.79 ; R1#3.1 18.22,117.01 16.66,115.45 v1(16.66,108.42) ; 25.94,75.81 26.82,75.81 R22#3.2 ; 25.94,75.81 25.85,75.81 C31#2.2 ; R12#8.2 22.2,87.79 22.2,87.79 ; C25#3.1 12.08,116.54 C27#2.1 12.08,113.48 C24#9.2 12.73,112.83 R21#8.1 12.73,108.33 v1(12.92,108.14) ; C25#3.1 12.55,117.38 R3#2.1 ; C25#3.1 11.31,118.25 11.31,127.4 11.13,127.57 11.13,128.66 11.57,129.1 18.18,129.1 21.44,125.84 22.63,125.84 25.16,123.31 U1#4.2 ; v1(42.7,100.47) 42.49,100.26 42.49,97.82 42.7,97.61 42.7,97.09 U2#3.15 ; U5#3.6 U5#3.7 15.7,103.98 15.21,104.47 v1(15.21,108.14)
  Bottom w0.25: v1(11.15,107.56) 11.73,108.14 v1(12.92,108.14) v1(15.21,108.14) ; v1(15.21,108.14) 15.21,104.37 20.74,98.84 41.07,98.84 v1(42.7,100.47) ; v1(15.21,108.14) 16.38,108.14 v1(16.66,108.42)
